# Altium PCB ALCT_MEZ_LX100.PcbDoc (part 3 of 10)
Units mil, origin at the board's own origin, x right, y up, seen from the top; angles counter-clockwise.
Board outline 4100 x 5874.84 mil, 12 copper layers (Top Layer, GND, Mid-Layer 2, +3V3, Mid-Layer 4, +1V2, Mid-Layer 6, +1V8, Mid-Layer 8, +2V5, Mid-Layer 10, Bottom Layer), stack 64.7 mil thick; 544 components, 646 nets, 3089 pads, 1750 vias.
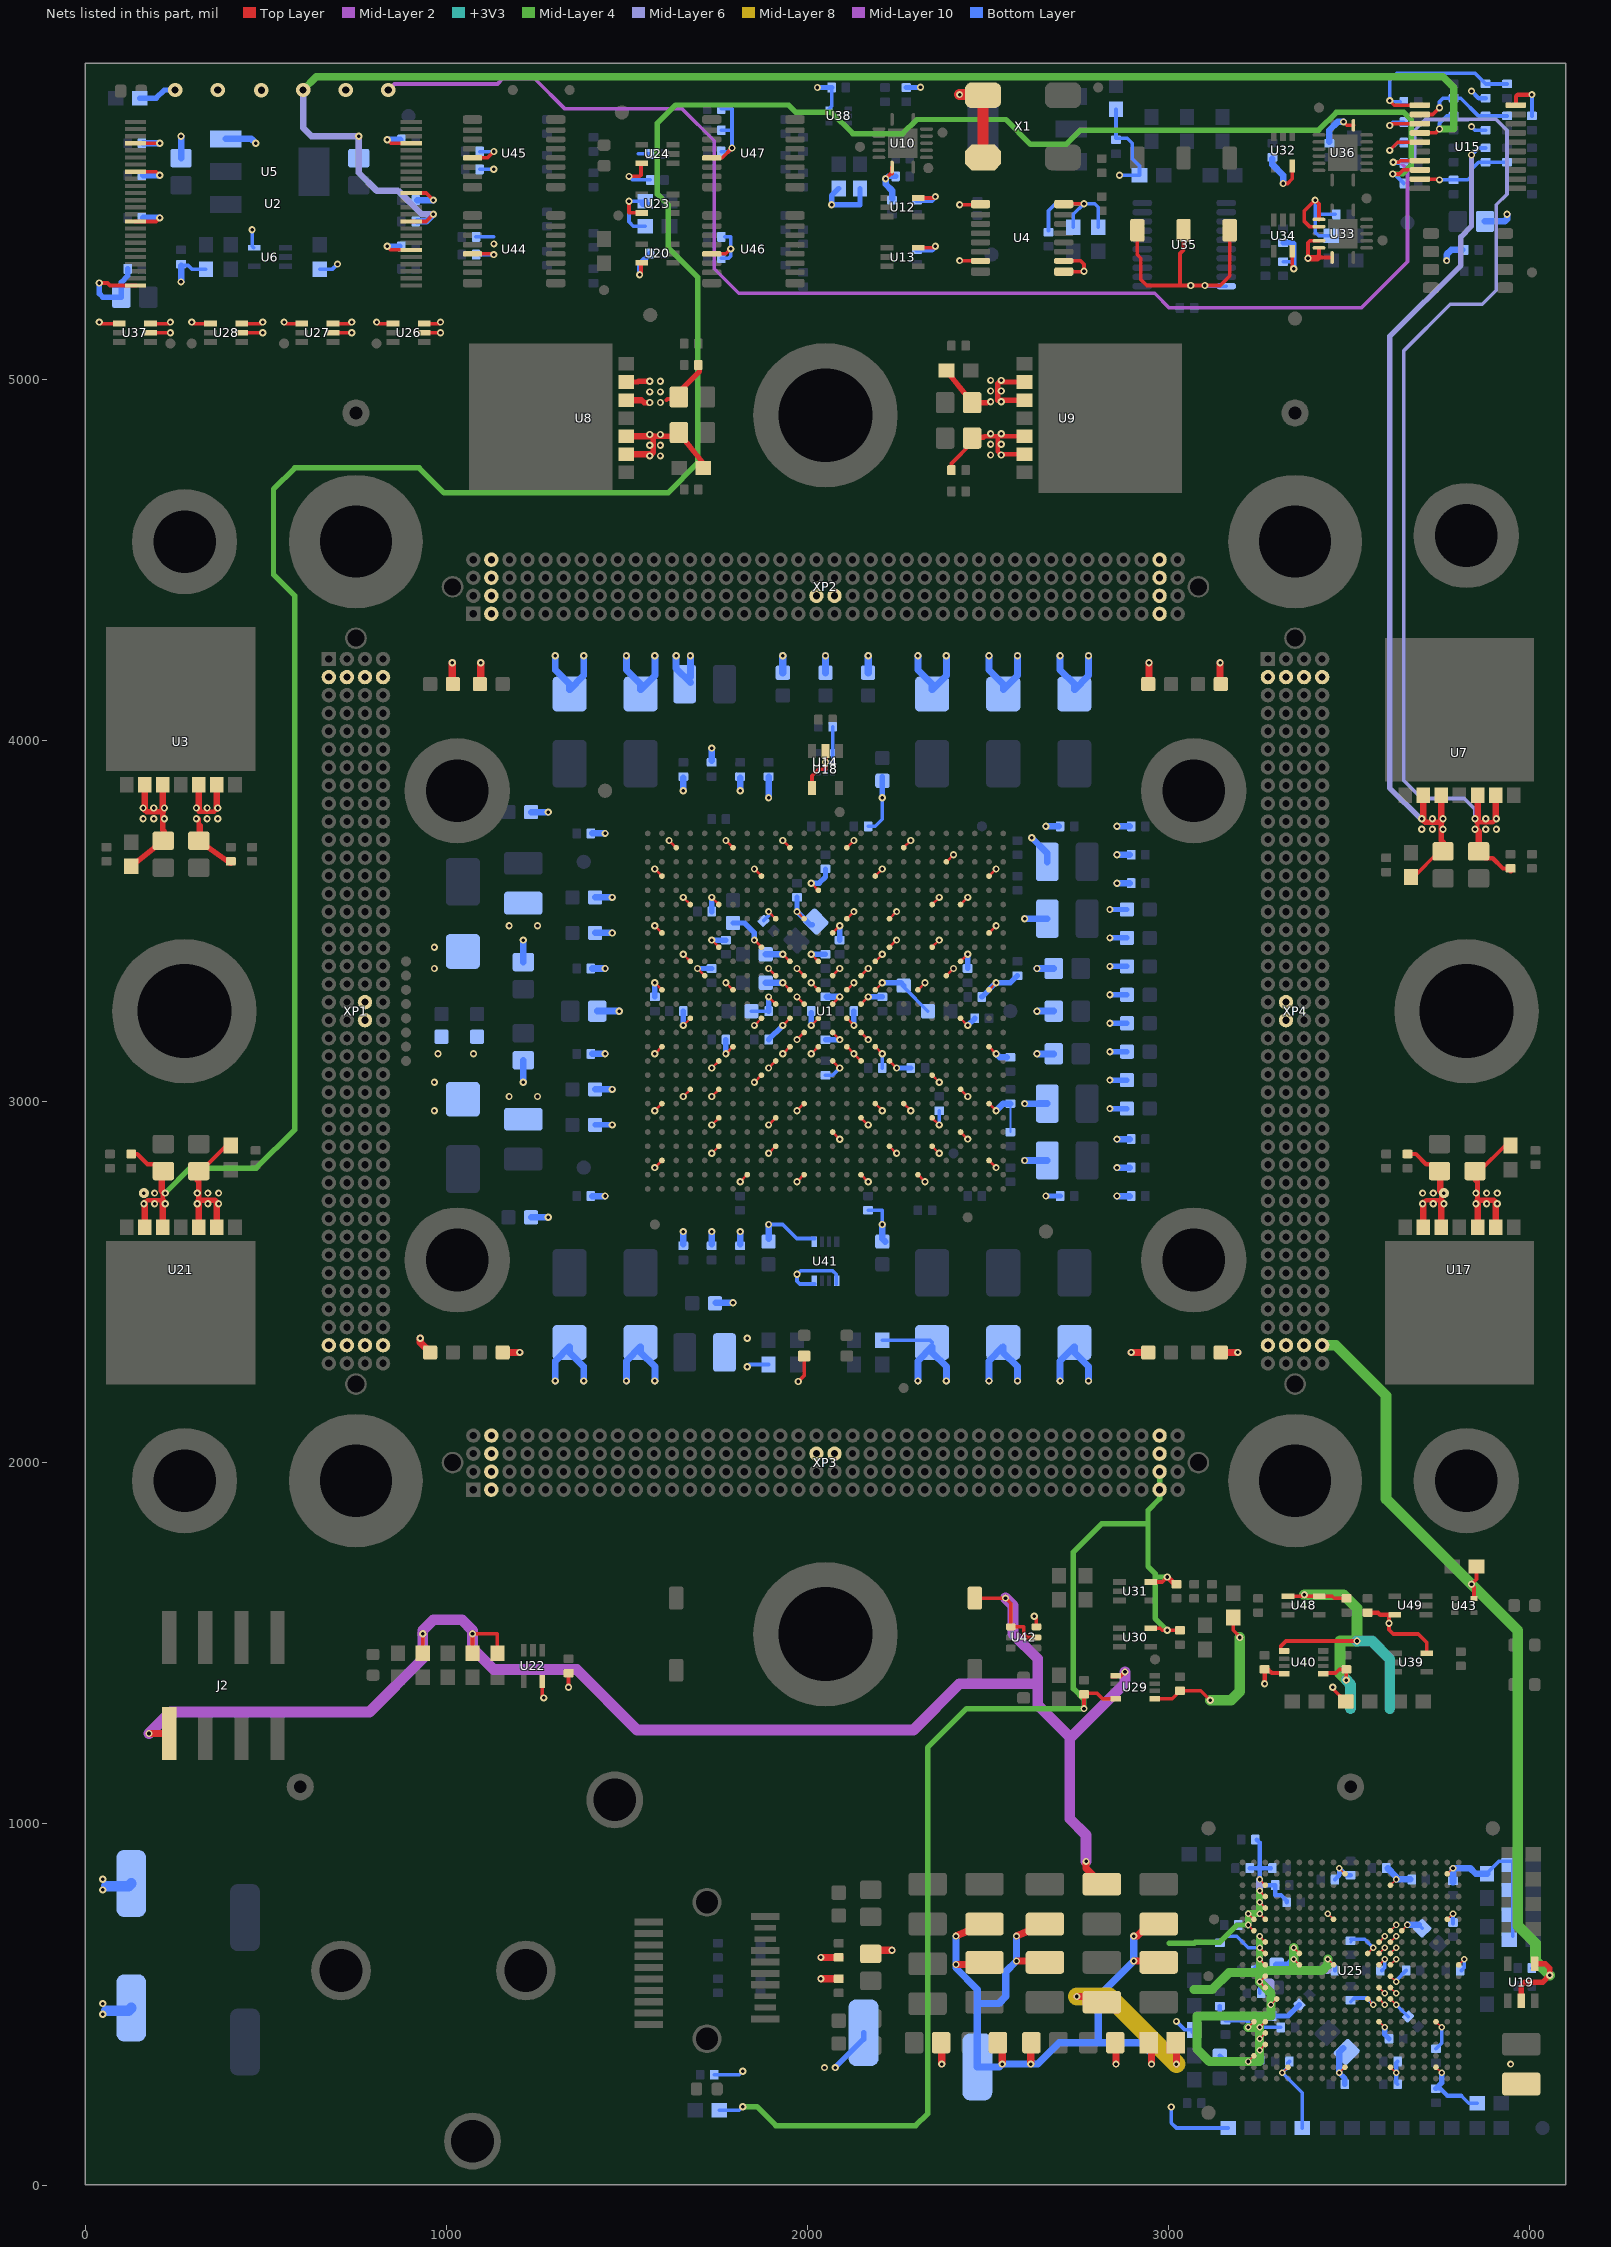
[diagram p13: the nets of this part, all layers, seen from the top]

## Part data (continued)
U16: library part LT1634_2.5V, "IC VREF SHUNT 2.5V 8SOIC", Current - Cathode=8µA, Current - Output=50mA, Current - Supply=-, Manufacturer="Linear Technology", Manufacturer Part Number=LT1634ACS8-2.5#PBF, Operating Temperature="0°C ~ 70°C (TA)", Package / Case="8-SOIC (0.154\", 3.90mm Width)", Supplier Device Package=8-SOIC, Supplier Part Number 1=LT1634ACS8-2.5#PBF-ND, Temperature Coefficient=10ppm/°C, Tolerance=±0.05%, Voltage - Output (Min/Fixed)=2.5V, Category="Integrated Circuits (ICs)", COMPGROUP=0, ComponentLink1Description=http://www.linear.com/docs/3209, ComponentLink1URL=http://www.linear.com/docs/3209, COMPROT=270, COMPSIDE=TOP, mfgr="Linear Tech", mfgr_foot=SOIC8, mfgr_id=LT1634ACS8-2.5, Mounting Type="Surface Mount", Noise - 0.1Hz to 10Hz=15µVp-p, Noise - 10Hz to 10kHz=-, Output Type=Fixed, Packaging=Tube, Part Status=Active, Pricing 1="1=9.42, 25=6.256, 100=4.7109 (USD)", Reference Type=Shunt, RoHS="RoHS Compliant", Stock 1=1010, Supplier 1=Digi-Key, Voltage - Input=-, Voltage - Output (Max)=-
U18 U19: "SENSOR TEMP ANLG VOLT SOT-23-5", Manufacturer="Analog Devices Inc.", Manufacturer Part Number=TMP36FSZ-REEL, Operating Temperature="-40°C ~ 150°C", Package / Case="8-SOIC (0.154\", 3.90mm Width)", Sensing Temperature - Local="-40°C ~ 125°C", Sensing Temperature - Remote=-, Supplier Device Package=8-SOIC, Supplier Part Number 1=TMP36FSZ-REELCT-ND, Voltage - Supply="2.7 V ~ 5.5 V", Accuracy - Highest (Lowest)="±2°C (±3°C)", Category="Sensors, Transducers", ComponentLink1Description=http://www.analog.com/media/en/technical-documentation/data-sheets/TMP35_36_37.pdf, ComponentLink1URL=http://www.analog.com/media/en/technical-documentation/data-sheets/TMP35_36_37.pdf, Features="Shutdown Mode", mfgr="Analog Devices", mfgr_foot=SOT23_RJ5, mfgr_id=TMP36GRTZ, Mounting Type="Surface Mount", Output Type="Analog Voltage", Packaging="Cut Tape (CT)", Part Status=Active, Pricing 1="1=2.09, 10=1.876, 100=1.5077, 500=1.23874, 1000=1.02638 (USD)", Pricing 2="1=2.09, 10=1.876, 100=1.5077, 500=1.23874, 1000=1.02638 (USD)", Resolution=10mV/°C, RoHS="RoHS Compliant", Sensor Type="Analog, Local", Stock 1=63, Stock 2=63, Supplier 1=Digi-Key, Supplier 2=Digi-Key, Supplier Part Number 2=TMP36FSZ-REELDKR-ND, Test Condition="25°C (-40°C ~ 125°C)"
U20 U30 U31 U32 U48: "IC GATE AND 1CH 2-INP 5-TSSOP", Current - Output High, Low="4mA, 4mA", Manufacturer="Texas Instruments", Manufacturer Part Number=SN74AUP1G08DCKT, Operating Temperature="-40°C ~ 85°C", Package / Case="5-TSSOP, SC-70-5, SOT-353", Supplier Device Package=SC-70-5, Supplier Part Number 1=296-32258-1-ND, Voltage - Supply="0.8 V ~ 3.6 V", Category="Integrated Circuits (ICs)", ComponentLink1Description=http://www.ti.com/lit/ds/symlink/sn74aup1g08.pdf, ComponentLink1URL=http://www.ti.com/lit/ds/symlink/sn74aup1g08.pdf, Features=-, Logic Level - High="1.6 V ~ 2 V", Logic Level - Low="0.7 V ~ 0.9 V", Logic Type="AND Gate", Max Propagation Delay @ V, Max CL="6.2ns @ 3.3V, 30pF", Mounting Type="Surface Mount", Number of Inputs=2, Packaging="Cut Tape (CT)", Part Status=Active, Pricing 1="1=0.8, 10=0.707, 100=0.542 (USD)", Pricing 2="1=0.8, 10=0.707, 100=0.542 (USD)", RoHS="RoHS Compliant", Stock 1=7470, Stock 2=7470, Supplier 1=Digi-Key, Supplier 2=Digi-Key, Supplier Part Number 2=296-32258-6-ND
U23: "IC GATE OR 1CH 2-INP 5-TSSOP", Current - Output High, Low="4mA, 4mA", Manufacturer="Texas Instruments", Manufacturer Part Number=SN74AUP1G32DCKT, Operating Temperature="-40°C ~ 85°C", Package / Case="5-TSSOP, SC-70-5, SOT-353", Supplier Device Package=SC-70-5, Supplier Part Number 1=296-32262-1-ND, Voltage - Supply="0.8 V ~ 3.6 V", Category="Integrated Circuits (ICs)", ComponentLink1Description=http://www.ti.com/lit/ds/symlink/sn74aup1g32.pdf, ComponentLink1URL=http://www.ti.com/lit/ds/symlink/sn74aup1g32.pdf, Features=-, Logic Level - High="1.6 V ~ 2 V", Logic Level - Low="0.7 V ~ 0.9 V", Logic Type="OR Gate", Max Propagation Delay @ V, Max CL="6.4ns @ 3.3V, 30pF", Mounting Type="Surface Mount", Number of Inputs=2, Packaging="Cut Tape (CT)", Part Status=Active, Pricing 1="1=0.8, 10=0.707, 100=0.542 (USD)", Pricing 2="1=0.8, 10=0.707, 100=0.542 (USD)", RoHS="RoHS Compliant", Stock 1=96, Stock 2=96, Supplier 1=Digi-Key, Supplier 2=Digi-Key, Supplier Part Number 2=296-32262-6-ND
U26 U27 U28 U37: library part SN74LVC1T45-EP-ALCT_1, "IC BUS TRANSCVR TRI-ST SC70-6", Manufacturer="Texas Instruments", Operating Temperature="-40°C ~ 85°C (TA)", Package / Case="6-TSSOP, SC-88, SOT-363", Supplier Device Package=SC-70-6, Supplier Part Number 1=296-16844-1-ND, Category="Integrated Circuits (ICs)", Channels per Circuit=1, Channel Type=Bidirectional, COMPGROUP=0, ComponentLink1Description=http://www.ti.com/lit/ds/symlink/sn74lvc1t45.pdf, ComponentLink1URL=http://www.ti.com/lit/ds/symlink/sn74lvc1t45.pdf, COMPROT=270, COMPSIDE=TOP, Data Rate=420Mbps, Features=-, Input Signal=-, Manufacturer Part Number=SN74LVC1T45DCKR, mfgr="Texas Inst", mfgr_foot=DCK, mfgr_id=SN74LVC1T45MDCKREP, Mounting Type="Surface Mount", Output Signal=-, Output Type="Tri-State, Non-Inverted", Packaging="Cut Tape (CT)", Part Status=Active, Pricing 1="1=0.58, 10=0.494, 100=0.3692, 500=0.29004, 1000=0.22413 (USD)", Pricing 2="1=0.58, 10=0.494, 100=0.3692, 500=0.29004, 1000=0.22413 (USD)", RoHS="RoHS Compliant", Stock 1=91787, Stock 2=91787, Supplier 1=Digi-Key, Supplier 2=Digi-Key, Supplier Part Number 2=296-16844-6-ND, Translator Type="Voltage Level"
U29 U40 U41: "IC TRNSLTR BIDIRECTIONAL 8VSSOP", Base Part Number=74LVC2T45, Case/Package=VSSOP, High Level Output Current=-32mA, Low Level Output Current=32mA, Manufacturer="Nexperia USA Inc.", Max Operating Temperature=125°C, Max Power Dissipation=250mW, Max Supply Voltage=5.5V, Min Operating Temperature=-40°C, Min Supply Voltage=1.2V, Operating Temperature="-40°C ~ 125°C (TA)", Package / Case="8-VFSOP (0.091\", 2.30mm Width)", Package Quantity=3000, Quiescent Current=8uA, Supplier Device Package=8-VSSOP, Supplier Part Number 1=1727-4578-6-ND, Category="Integrated Circuits (ICs)", Channels per Circuit=2, Channel Type=Bidirectional, ComponentLink1Description=https://assets.nexperia.com/documents/data-sheet/74LVC_LVCH2T45.pdf, ComponentLink1URL=https://assets.nexperia.com/documents/data-sheet/74LVC_LVCH2T45.pdf, ComponentLink2Description=https://datasheet.ciiva.com/1900/74lvc-lvch2t45-1900049.pdf, ComponentLink2URL=https://datasheet.ciiva.com/1900/74lvc-lvch2t45-1900049.pdf, ComponentLink3Description=https://datasheet.ciiva.com/1900/74lvc-lvch2t45-1900050.pdf, ComponentLink3URL=https://datasheet.ciiva.com/1900/74lvc-lvch2t45-1900050.pdf, ComponentLink4Description=https://datasheet.ciiva.com/1900/74lvc-lvch2t45-1900051.pdf, ComponentLink4URL=https://datasheet.ciiva.com/1900/74lvc-lvch2t45-1900051.pdf, ComponentLink5Description=https://datasheet.ciiva.com/16406/74lvc-lvch2t45-16406598.pdf, ComponentLink5URL=https://datasheet.ciiva.com/16406/74lvc-lvch2t45-16406598.pdf, ComponentLink6Description=https://datasheet.ciiva.com/4798/74lvc-lvch2t45-4798887.pdf, ComponentLink6URL=https://datasheet.ciiva.com/4798/74lvc-lvch2t45-4798887.pdf, ComponentLink7Description=https://datasheet.ciiva.com/16591/74lvc-lvch2t45-16591338.pdf, ComponentLink7URL=https://datasheet.ciiva.com/16591/74lvc-lvch2t45-16591338.pdf, ComponentLink8Description=https://datasheet.ciiva.com/15086/getdatasheetpartid-422533-15086781.pdf, ComponentLink8URL=https://datasheet.ciiva.com/15086/getdatasheetpartid-422533-15086781.pdf, Contact Plating=Gold, Data Rate=420Mbps, Direction=Bidirectional, Features=-, Input Signal=-, Lead Free="Lead Free", Logic Function=Transceiver,Translator, Manufacturer Part Number=74LVC2T45DC,125, Mount="Surface Mount", Mounting Type="Surface Mount", Number of Bits=2, Number of Channels=2, Number of Elements=1, Number of Pins=8, Output Signal=-, Output Type="Tri-State, Non-Inverted", Packaging=Digi-Reel®, Part Status=Active, Polarity=Non-Inverting, Pricing 1="1=0.58, 10=0.51, 100=0.3909, 500=0.309, 1000=0.2472 (USD)", Propagation Delay=48.6ns, Radiation Hardening=No, REACH SVHC="No SVHC", RoHS="RoHS Compliant", Stock 1=0, Supplier 1=Digi-Key, Translator Type="Voltage Level", Turn-On Delay Time=15.2ns
U35: "IC I/O EXPANDER I2C 9B 20TSSOP", Case/Package=TSSOP, Frequency=400KHz, Manufacturer=Maxim, Manufacturer Part Number=DS4550E+, Max Operating Temperature=85°C, Max Supply Voltage=5.5V, Min Operating Temperature=-40°C, Min Supply Voltage=2.7V, Operating Supply Current=2uA, Package Quantity=74, Supplier Part Number 1=DS4550E+-ND, ComponentLink1Description=https://datasheet.ciiva.com/1781/ds4550-1781162.pdf, ComponentLink1URL=https://datasheet.ciiva.com/1781/ds4550-1781162.pdf, ComponentLink2Description=https://datasheet.ciiva.com/16618/ds4550-16618826.pdf, ComponentLink2URL=https://datasheet.ciiva.com/16618/ds4550-16618826.pdf, Interface=I2C,Serial, Lead Free="Lead Free", Max Frequency=400KHz, Number of I/Os=9, Number of Pins=20, Packaging=Rail/Tube, Pricing 1="1=3.98, 10=3.781, 25=3.49, 50=3.3154, 100=3, 250=2.85, 1000=2.0808 (USD)", REACH SVHC=Unknown, Stock 1=76, Supplier 1=Digikey, Weight=0.006737oz
U36: "IC 4 BIT FET BUS SWITCH, VQFN-16", Current - Output High, Low=-, Manufacturer="Texas Instruments", Manufacturer Part Number=SN74CBTLV3257RGYR, Operating Temperature="-40°C ~ 85°C", Package / Case="16-VFQFN Exposed Pad", Supplier Device Package="16-VQFN (4x4)", Supplier Part Number 1=296-15107-1-ND, Voltage - Supply="2.3 V ~ 3.6 V", Voltage Supply Source="Single Supply", Category="Integrated Circuits (ICs)", Circuit="4 x 2:1", ComponentLink1Description=http://www.ti.com/lit/ds/symlink/sn74cbtlv3257.pdf, ComponentLink1URL=http://www.ti.com/lit/ds/symlink/sn74cbtlv3257.pdf, Mounting Type="Surface Mount", Packaging="Cut Tape (CT)", Part Status=Active, Pricing 1="1=0.93, 10=0.83, 100=0.6467, 500=0.53426, 1000=0.42179 (USD)", Pricing 2="1=0.93, 10=0.83, 100=0.6467, 500=0.53426, 1000=0.42179 (USD)", RoHS="RoHS Compliant", Stock 1=4734, Stock 2=4734, Supplier 1=Digi-Key, Supplier 2=Digi-Key, Supplier Part Number 2=296-15107-6-ND, Type=Multiplexer/Demultiplexer
U42: library part 74LVC1T45, "IC BUS TRANSCVR TRI-ST SC70-6", Case/Package=TSSOP, High Level Output Current=-32mA, Low Level Output Current=32mA, Manufacturer="NXP Semiconductors", Max Operating Temperature=125°C, Max Power Dissipation=250mW, Max Supply Voltage=5.5V, Min Operating Temperature=-40°C, Min Supply Voltage=1.2V, Package Quantity=3000, Quiescent Current=16uA, Supplier Part Number 1=1727-4560-1-ND, Voltage=5V, ComponentLink1Description=http://www.ti.com/lit/ds/symlink/sn74lvc1t45.pdf, ComponentLink1URL=http://www.ti.com/lit/ds/symlink/sn74lvc1t45.pdf, ComponentLink2Description=https://datasheet.ciiva.com/1898/74lvc-lvch1t45-1898948.pdf, ComponentLink2URL=https://datasheet.ciiva.com/1898/74lvc-lvch1t45-1898948.pdf, ComponentLink3Description=https://datasheet.ciiva.com/1898/74lvc-lvch1t45-1898949.pdf, ComponentLink3URL=https://datasheet.ciiva.com/1898/74lvc-lvch1t45-1898949.pdf, ComponentLink4Description=https://datasheet.ciiva.com/1898/74lvc-lvch1t45-1898950.pdf, ComponentLink4URL=https://datasheet.ciiva.com/1898/74lvc-lvch1t45-1898950.pdf, ComponentLink5Description=https://datasheet.ciiva.com/26940/getdatasheetpartid-436223-26940411.pdf, ComponentLink5URL=https://datasheet.ciiva.com/26940/getdatasheetpartid-436223-26940411.pdf, ComponentLink6Description=https://datasheet.ciiva.com/16222/74lvc-lvch1t45-16222076.pdf, ComponentLink6URL=https://datasheet.ciiva.com/16222/74lvc-lvch1t45-16222076.pdf, Contact Plating=Tin, Data Rate=420Mbps, Direction=Bidirectional, Lead Free="Lead Free", Logic Function=Transceiver,Translator, Manufacturer Part Number=74LVC1T45GW,125, Max Supply Voltage (DC)=5.5V, Max Voltage Rating (DC)=5.5V, Mount="Surface Mount", Number of Bits=1, Number of Channels=1, Number of Elements=1, Number of Pins=6, Packaging="Tape and Reel", Polarity=Non-Inverting, Propagation Delay=48.6ns, Radiation Hardening=No, REACH SVHC="No SVHC", Stock 1=0, Supplier 1=Digi-Key, Turn-On Delay Time=48.6ns
U44 U45 U46 U47: library part DS90LV048ATMCX_LARGE, "IC LINE RECEIVER 3V QUAD DIFF 16TSSOP", Case/Package=TSSOP, Manufacturer="TI National Semiconductor", Max Input Voltage=0uV, Max Operating Temperature=85°C, Max Power Dissipation=866mW, Max Supply Current=9mA, Max Supply Voltage=3.6V, Min Input Voltage=-100mV, Min Operating Temperature=-40°C, Min Supply Voltage=3V, Operating Supply Current=15mA, Operating Supply Voltage=3.3V, Package Quantity=2500, Power Consumption=30W, Supplier Part Number 1=DS90LV048ATMTCX/NOPBDKR-ND, ComponentLink1Description=https://datasheet.ciiva.com/6635/ds90lv048a-6635703.pdf, ComponentLink1URL=https://datasheet.ciiva.com/6635/ds90lv048a-6635703.pdf, ComponentLink2Description=https://datasheet.ciiva.com/26001/ds90lv048a-26001784.pdf, ComponentLink2URL=https://datasheet.ciiva.com/26001/ds90lv048a-26001784.pdf, ComponentLink3Description=https://datasheet.ciiva.com/15133/getdatasheetpartid-647745-15133146.pdf, ComponentLink3URL=https://datasheet.ciiva.com/15133/getdatasheetpartid-647745-15133146.pdf, ComponentLink4Description=https://datasheet.ciiva.com/3151/ds90lv048a-3151499.pdf, ComponentLink4URL=https://datasheet.ciiva.com/3151/ds90lv048a-3151499.pdf, Data Rate=400Mbps, Height=0.9mm, Lead Free="Lead Free", Length=5mm, Logic Function=Receiver, Manufacturer Part Number=DS90LV048ATMTCX/NOPB, Mount="Surface Mount", Number of Channels=4, Number of Drivers=4, Number of Elements=4, Number of Pins=16, Number of Receivers=4, Packaging="Tape and Reel", Power Dissipation=866mW, Pricing 1="1=2.91, 10=2.618, 100=2.104, 500=1.7286, 1000=1.43227 (USD)", Propagation Delay=2.7ns, Radiation Hardening=No, REACH SVHC="No SVHC", Stock 1=55591, Supplier 1=Digi-Key, Turn-On Delay Time=2.7ns, Weight=0.002222oz, Width=4.4mm
X1: "XTAL, 33MHz, CMOS", Current - Supply (Disable) (Max)=10µA, Current - Supply (Max)=20mA, Frequency=33MHz, Frequency Stability=±20ppm, Manufacturer="Abracon LLC", Operating Temperature="-20°C ~ 70°C", Package / Case="4-SMD, No Lead", Ratings=-, Supplier Part Number 1=535-9324-6-ND, Voltage - Supply=3.3V, Category="Crystals, Oscillators, Resonators", ComponentLink1Description=http://www.abracon.com/Oscillators/ASV.pdf, ComponentLink1URL=http://www.abracon.com/Oscillators/ASV.pdf, Function=Enable/Disable, Height - Seated (Max)="0.071\" (1.80mm)", Manufacturer Part Number=ASV-33.000MHZ-EJ-T, Mounting Type="Surface Mount", Output=HCMOS, Packaging=Digi-Reel®, Part Status=Active, Pricing 1="1=1.73, 10=1.656, 50=1.617, 100=1.386, 500=1.3475 (USD)", RoHS="RoHS Compliant", Size / Dimension="0.276\" L x 0.200\" W (7.00mm x 5.08mm)", Stock 1=9939, Supplier 1=Digi-Key, Type="XO (Standard)"
XP1: Manufacturer=SAMTEC, Manufacturer Part Number=MOLC-140-01-L-Q-LC, Package=XP1, Supplier Part Number 1=2732055, COMPGROUP=0, ComponentLink1Description=http://www.farnell.com/cad/2261282.pdf, ComponentLink1URL=http://www.farnell.com/cad/2261282.pdf, ComponentLink2Description=http://www.farnell.com/datasheets/2261038.pdf, ComponentLink2URL=http://www.farnell.com/datasheets/2261038.pdf, COMPROT=180, COMPSIDE=TOP, Contact Material="Phosphor Bronze", Contact Plating="Gold Plated Contacts", Contact Termination Type="Through Hole", Gender=Header, mfgr=Samtec, mfgr_foot=40x4, mfgr_id=MOLC-140-01-S-Q-LC, No. of Contacts=160, No. of Rows=4, Pitch Spacing=1.27, Pricing 1="1=18.16, 3=17.11, 5=16.18, 10=15.35, 15=14.96, 25=14.34 (GBP)", Product Range="MOLC Series", RoHS=YES, Stock 1=0, Supplier 1=Farnell, SVHC="No SVHC (12-Jan-2017"
XP2: Manufacturer=SAMTEC, Manufacturer Part Number=MOLC-140-01-L-Q-LC, Package=XP2, Supplier Part Number 1=2732055, COMPGROUP=0, ComponentLink1Description=http://www.farnell.com/cad/2261282.pdf, ComponentLink1URL=http://www.farnell.com/cad/2261282.pdf, ComponentLink2Description=http://www.farnell.com/datasheets/2261038.pdf, ComponentLink2URL=http://www.farnell.com/datasheets/2261038.pdf, COMPROT=270, COMPSIDE=TOP, Contact Material="Phosphor Bronze", Contact Plating="Gold Plated Contacts", Contact Termination Type="Through Hole", Gender=Header, mfgr=Samtec, mfgr_foot=40x4, mfgr_id=MOLC-140-01-S-Q-LC, No. of Contacts=160, No. of Rows=4, Pitch Spacing=1.27, Pricing 1="1=18.16, 3=17.11, 5=16.18, 10=15.35, 15=14.96, 25=14.34 (GBP)", Product Range="MOLC Series", RoHS=YES, Stock 1=0, Supplier 1=Farnell, SVHC="No SVHC (12-Jan-2017"
XP3: Manufacturer=SAMTEC, Manufacturer Part Number=MOLC-140-01-L-Q-LC, Package=XP3, Supplier Part Number 1=2732055, COMPGROUP=0, ComponentLink1Description=http://www.farnell.com/cad/2261282.pdf, ComponentLink1URL=http://www.farnell.com/cad/2261282.pdf, ComponentLink2Description=http://www.farnell.com/datasheets/2261038.pdf, ComponentLink2URL=http://www.farnell.com/datasheets/2261038.pdf, COMPROT=270, COMPSIDE=TOP, Contact Material="Phosphor Bronze", Contact Plating="Gold Plated Contacts", Contact Termination Type="Through Hole", Gender=Header, mfgr=Samtec, mfgr_foot=40x4, mfgr_id=MOLC-140-01-S-Q-LC, No. of Contacts=160, No. of Rows=4, Pitch Spacing=1.27, Pricing 1="1=18.16, 3=17.11, 5=16.18, 10=15.35, 15=14.96, 25=14.34 (GBP)", Product Range="MOLC Series", RoHS=YES, Stock 1=0, Supplier 1=Farnell, SVHC="No SVHC (12-Jan-2017"
XP4: Manufacturer=SAMTEC, Manufacturer Part Number=MOLC-140-01-L-Q-LC, Package=XP4, Supplier Part Number 1=2732055, COMPGROUP=0, ComponentLink1Description=http://www.farnell.com/cad/2261282.pdf, ComponentLink1URL=http://www.farnell.com/cad/2261282.pdf, ComponentLink2Description=http://www.farnell.com/datasheets/2261038.pdf, ComponentLink2URL=http://www.farnell.com/datasheets/2261038.pdf, COMPROT=180, COMPSIDE=TOP, Contact Material="Phosphor Bronze", Contact Plating="Gold Plated Contacts", Contact Termination Type="Through Hole", Gender=Header, mfgr=Samtec, mfgr_foot=40x4, mfgr_id=MOLC-140-01-S-Q-LC, No. of Contacts=160, No. of Rows=4, Pitch Spacing=1.27, Pricing 1="1=18.16, 3=17.11, 5=16.18, 10=15.35, 15=14.96, 25=14.34 (GBP)", Product Range="MOLC Series", RoHS=YES, Stock 1=0, Supplier 1=Farnell, SVHC="No SVHC (12-Jan-2017"
ZI1 ZI2 ZI3 ZI4 ZI5 ZI6 ZI7 ZI8 ZI9 ZI10 ZI11 ZI12 ZI13 ZI14 ZI15 ZI16 ZI17: library part Fiducial_dot, Package=90, COMPGROUP=0, COMPROT=0, COMPSIDE=TOP, mfgr=Layout, mfgr_foot=FID, mfgr_id=FID
H12 H31 H34 H42: COMPGROUP=0, COMPROT=0, COMPSIDE=TOP, mfgr=McMaster, mfgr_foot="6-32 ButtonSkt", mfgr_id=92949A146

## Free pads (board coordinates)
  round 0 on Mech16 paste+0 mask+0: 1(1053.15,5738.39)

## Via types
v1: diameter 20, hole 10, Top Layer to Bottom Layer, tented both sides, 1478 vias
v2: diameter 18, hole 10, Top Layer to Bottom Layer, tented both sides, 219 vias
v3: diameter 20, hole 10, Top Layer to Bottom Layer, 38 vias
v4: diameter 40, hole 20, Top Layer to Bottom Layer, 8 vias
v5: diameter 19, hole 10, Top Layer to Bottom Layer, tented both sides, 5 vias
v6: diameter 19, hole 10, Top Layer to Bottom Layer, 1 vias
v7: diameter 18, hole 10, Top Layer to Bottom Layer, 1 vias

## Nets (pads, with @x,y where several pads share a name; then routed paths per layer and width w, separated by ;. In a path a pad name is that pad's centre, name@x,y a point inside that pad or via, vN(x,y) a via of type N, cw(c..) or ccw(c..) an arc to the next point about the centre after c; other vN are vias at no path point)
+1V2: 1V2_INT.1 C10.1 C17.1 C271.1 C272.1 C273.1 C274.1 C275.1 C276.1 C277.1 C371.1 C372.1 C375.1 C471.1 R10.1 U1.K11 U1.K17 U1.L10 U1.L12 U1.L14 U1.L16 U1.M11 U1.M13 U1.M15 U1.N12 U1.N14 U1.N16 U1.P11 U1.P13 U1.P15 U1.R12 U1.R14 U1.R16 U1.T11 U1.T13 U1.T15 U1.T17 U1.U10 U1.U16 U9.5 U9.6 U15.5 | length 1726.7
  Top Layer w7: v1(1892.52,3092.52) U1.U10@1912.2,3112.2 ; v1(1892.52,3368.11) U1.L10@1912.2,3348.42 ; v1(1931.89,3131.89) U1.T11@1951.57,3151.57 ; v1(1931.89,3210.63) U1.P11@1951.57,3230.31 ; v1(1931.89,3328.74) U1.M11@1951.57,3309.05 ; v1(1931.89,3407.48) U1.K11@1951.57,3387.79 ; v1(1971.26,3171.26) U1.R12@1990.94,3190.94 ; v1(1971.26,3289.37) U1.N12@1990.94,3269.68 ; v1(1971.26,3368.11) U1.L12@1990.94,3348.42 ; v1(2010.63,3131.89) U1.T13@2030.31,3151.57 ; v1(2010.63,3210.63) U1.P13@2030.31,3230.31 ; v1(2010.63,3328.74) U1.M13@2030.31,3309.05 ; U1.R14@2069.68,3190.94 v1(2089.37,3171.26) ; U1.N14@2069.68,3269.68 v1(2089.37,3289.37) ; U1.L14@2069.68,3348.42 v1(2089.37,3368.11) ; U1.T15@2109.05,3151.57 v1(2128.74,3131.89) U1.U16@2148.43,3112.2 ; U1.P15@2109.05,3230.31 v1(2128.74,3210.63) ; U1.M15@2109.05,3309.05 v1(2128.74,3328.74) ; U1.R16@2148.43,3190.94 v1(2168.11,3171.26) ; U1.N16@2148.43,3269.68 v1(2168.11,3289.37) ; U1.L16@2148.43,3348.42 v1(2168.11,3368.11) ; U1.T17@2187.8,3151.57 v1(2207.48,3131.89) ; U1.K17@2187.8,3387.79 v1(2207.48,3407.48)
  Top Layer w10: R10.1@2398.82,4758.48 2398.82,4766.27 2455.91,4823.36 C10.1@2455.91,4836.61 ; v1(3612.2,5633.27) 3634.84,5655.91 U15.5@3695.87,5655.91
  Top Layer w12: C10.1@2446.06,4836.61 C10.1@2446.06,4838.98 ; 2487.4,4838.98 2490.35,4841.93 2526.77,4841.93 ; U9.6@2601.18,4791.93 2534.45,4791.93 2526.77,4799.61 2526.77,4841.93 ; U9.5@2601.18,4841.93 2526.77,4841.93
  Top Layer w15: C10.1@2455.91,4838.98 2487.4,4838.98
  Bottom Layer w10: C277.1@2207.48,3092.52 v1(2207.48,3131.89) ; v1(3612.2,5633.27) 3633.66,5654.72 C17.1@3651.58,5654.72
  Bottom Layer w12: v1@2085.44,3167.32 v1(2089.37,3171.26)
  Bottom Layer w15: C275.1@1892.52,3171.26 v1(1931.89,3210.63) ; v1(2010.63,3210.63) C272.1@2010.63,3246.06 ; v1@2081.5,3171.26 C273.1@2050,3171.26 v1(2089.37,3171.26) ; v1(2128.74,3210.63) C274.1@2128.74,3250 ; v1(2168.11,3289.37) C276.1@2207.48,3289.37
  Bottom Layer w18: C372.1@1884.65,3328.74 v1(1931.89,3328.74) ; C371.1@1884.65,3407.48 v1(1931.89,3407.48) ; C271.1@2053.94,3289.37 v1(2089.37,3289.37) ; v1(2620.87,3730.32) C471.1@2640.55,3710.63 ; v1(2635.63,3368.11) v1@2640.55,3368.11
  Bottom Layer w19: v1@2640.55,3368.11 C375.1@2681.89,3368.11 ; C471.1@2640.55,3710.63 2664.17,3687.01 C471.1@2664.17,3663.39
  other v1: 2507.09,4789.76 2536.61,4789.76 2507.09,4819.29 2536.61,4819.29 2507.09,4848.82 2536.61,4848.82
  other v4: 721.65,5800.39
+1V5: 1V5D.1 C1.1 C19.1 C27.1 C87.1 C88.1 C89.1 C90.1 C91.1 C92.1 C93.1 C94.1 C95.1 C96.1 C97.1 C98.1 C99.1 C100.1 C101.1 C102.1 C103.1 C104.1 C105.1 C106.1 C107.1 C108.1 C165.1 C168.1 C172.1 C175.1 J2.1 J6.1 R2.1 R20.1 R52.1 R61.1 R67.1 R68.1 R69.1 R70.1 R71.1 R80.2 R81.1 R82.1 R83.2 R84.1 U7.5 U7.6 U15.7 U25.B10 U25.B19 U25.C14 U25.F9 U25.F19 U25.G14 U25.G15 U25.H13 U25.H14 U25.J12 U25.J13 U25.J14 U25.K13 U25.K14 U25.K20 U25.L14 U25.M13 U25.M14 U25.N12 U25.N13 U25.N14 U25.R13 U25.R18 U25.W5 U25.W10 U25.W14 U25.W18 U29.1 U29.5 U40.1 U40.5 U42.1 U42.5 U48.1 U48.5 | length 15754.6
  Top Layer w5: v2(3314.96,310.43) U25.W5@3330.71,326.18 ; v2(3440.95,751.38) U25.F9@3456.69,735.63 ; v2(3472.44,310.43) U25.W10@3488.19,326.18 ; v2(3472.44,877.36) U25.B10@3488.19,861.61 ; U25.N12@3551.18,515.16 v2(3566.93,499.41) ; U25.J12@3551.18,641.14 v2(3566.93,656.89) ; U25.R13@3582.68,452.17 v2(3598.43,436.42) ; U25.N13@3582.68,515.16 v2(3598.43,499.41) ; U25.M13@3582.68,546.65 v2(3598.43,530.91) ; U25.K13@3582.68,609.65 v2(3598.43,625.39) ; U25.J13@3582.68,641.14 v2(3598.43,656.89) ; U25.H13@3582.68,672.64 v2(3598.43,688.39) ; U25.W14@3614.17,326.18 v2(3629.92,310.43) ; U25.N14@3614.17,515.16 v2(3629.92,499.41) ; U25.M14@3614.17,546.65 v2(3629.92,530.91) ; U25.L14@3614.17,578.15 v2(3629.92,562.4) ; U25.K14@3614.17,609.65 v2(3629.92,625.39) ; U25.J14@3614.17,641.14 v2(3629.92,656.89) ; U25.H14@3614.17,672.64 v2(3629.92,688.39) ; U25.G14@3614.17,704.13 v2(3629.92,719.88) ; U25.C14@3614.17,830.12 v2(3629.92,845.87) ; U25.G15@3645.67,704.13 v2(3661.42,719.88) ; U25.W18@3740.16,326.18 v2(3755.91,310.43) ; U25.R18@3740.16,452.17 v2(3755.91,436.42) ; U25.F19@3771.65,735.63 v2(3787.4,751.38) ; U25.B19@3771.65,861.61 v2(3787.4,877.36) ; U25.K20@3803.15,609.65 v2(3818.9,625.39)
  Top Layer w10: R84.1@935.04,1472.64 v1(935.04,1526.38) ; R82.1@1072.84,1472.64 v1(1072.83,1526.08) 1073.13,1526.38 1141.73,1526.38 R81.1@1141.73,1472.64 ; J6.1@2463.39,1625 v3(2548.43,1625) 2562.99,1610.43 U42.1@2562.99,1545.47 2598.43,1545.47 2598.43,1525.79 2608.27,1515.95 U42.5@2633.86,1515.95 ; U29.5@2844.49,1407.68 U29.5@2853.35,1407.68 ; U29.5@2853.35,1409.65 2868.19,1409.65 v1@2878.23,1419.69 ; U29.1@2961.61,1346.65 3009.84,1346.65 C27.1@3031.5,1368.31 3089.06,1368.31 v1(3115.43,1341.93) ; R80.2@3179.13,1571.06 3179.13,1535.63 v1@3198.82,1515.95 ; U40.5@3311.02,1476.57 3311.02,1492.32 3324.8,1506.1 v1(3521.65,1506.1) ; U48.1@3330.71,1630.12 3372.05,1630.12 v1(3375.98,1634.06) 3379.92,1630.12 U48.5@3417.32,1630.12 3452.76,1630.12 3458.66,1624.21 C168.1@3492.13,1624.21 ; U40.1@3437.01,1417.52 3462.6,1417.52 3472.44,1427.36 C165.1@3492.13,1427.36 v1(3492.13,1397.83) ; v1(3622.05,5600.59) 3637.6,5600.59 3641.73,5604.72 U15.7@3695.87,5604.72
  Top Layer w12: v1@2878.23,1419.69 v1(2879.21,1420.67) ; v1@3855.32,3750.2 3855.32,3773.03 3897.64,3773.03 v1@3905.32,3780.71 ; C1.1@3858.27,3692.32 3877.17,3673.43 3897.64,3673.43 3925.98,3645.08 3937.01,3645.08 R2.1@3946.85,3645.08
  Top Layer w15: R2.1@3937.01,3645.08 3944.25,3640.74 R2.1@3946.85,3639.17
  Top Layer w18: v1@3855.32,3750.2 3858.27,3747.24 C1.1@3858.27,3692.32 ; 3855.32,3773.03 U7.5@3855.32,3847.44 ; v1@3905.32,3780.71 U7.6@3905.32,3847.44
  Top Layer w20: v3(177.17,1250.2) J2.1@233.07,1250.2 ; v1(2771.65,895.87) 2771.65,876.18 C102.1@2814.96,832.87 ; v1(2854.33,334.84) C172.1@2854.33,409.65
  Mid-Layer 2 w30: v3(177.17,1250.2) 236.22,1309.25 787.4,1309.25 935.04,1456.89 v1(935.04,1526.38)
  Mid-Layer 4 w30: v1(3115.43,1341.93) 3172.44,1341.93 3196.85,1366.34 v1(3196.85,1515.94) ; v1(3375.98,1634.06) 3484.25,1634.06 3521.65,1596.65 v1(3521.65,1506.1) 3474.41,1506.1 3474.41,1415.55 v1(3492.13,1397.83)
  Mid-Layer 6 w10: v1(3622.05,5600.59) 3671.26,5600.59 3681.1,5610.43 3681.1,5689.17 3710.63,5718.7 3829.28,5718.7 3830.09,5719.52 3906.67,5719.52 3937.01,5689.17 3937.01,5512.01 3907.48,5482.48 3907.48,5246.26 3868.11,5206.89 3779.53,5206.89 3651.58,5078.94 3651.58,3887.99 3700.79,3838.78 3818.9,3838.78 3848.43,3809.25 v1(3848.43,3782.87)
  +3V3 w30: v1(3492.13,1397.83) 3503.88,1386.08 3503.88,1318.9 ; v1(3521.65,1506.1) 3562.74,1506.1 3612.14,1456.69 3612.14,1318.9
  Mid-Layer 10 w10: v4(839.76,5800.39) 856.5,5817.13 1141.93,5817.13 1156.2,5831.39 1245.38,5831.39 1328.74,5748.03 1653.74,5748.03 1742.13,5659.65 1742.13,5305.32 1810.18,5237.26 2961.76,5237.26 3001.97,5197.05 3533.46,5197.05 3661.42,5325 3661.42,5580.91 3641.73,5600.59 v1(3622.05,5600.59)
  Mid-Layer 10 w30: v1(935.04,1526.38) 935.04,1535.63 964.57,1565.16 1043.31,1565.16 1072.83,1535.63 v1(1072.83,1526.08) 1072.83,1486.22 1131.69,1427.36 1361.22,1427.36 1528.54,1260.04 2293.31,1260.04 2421.26,1387.99 2637.8,1387.99 ; v3(2548.43,1625) 2568.9,1604.53 2568.9,1525.79 2637.8,1456.89 2637.8,1387.99 ; 2726.38,1240.35 2637.8,1328.94 2637.8,1387.99 ; v1(2771.65,895.87) 2771.65,968.7 2726.38,1013.98 2726.38,1236.59 2879.21,1389.43 v1(2879.21,1420.67)
  Bottom Layer w7: C96.1@3503.94,672.64 C96.1@3511.81,680.51 ; v2(3629.92,845.87) C92.1@3669.29,845.87
  Bottom Layer w10: v1(3007.42,215.95) 3007.42,171.91 3021.65,157.68 R71.1@3165.35,157.68 ; v1(3021.65,452.95) 3045.28,429.33 R83.2@3070.87,429.33 R83.2@3064.96,423.43 ; C99.1@3334.65,341.93 3330.71,337.99 3330.71,326.18 v2(3314.96,310.43) 3370.08,255.31 R20.1@3370.08,157.68 ; C90.1@3503.94,507.28 3514.56,517.91 3548.43,517.91 v2(3566.93,499.41) ; C96.1@3503.94,680.51 3511.81,680.51 3543.31,680.51 v2(3566.93,656.89) ; C91.1@3590.55,593.9 3598.43,601.77 v2(3598.43,625.39) ; v1(3622.05,5600.59) 3624.51,5598.13 C19.1@3651.58,5598.13 ; C101.1@3629.92,282.87 C101.1@3633.86,278.94 ; v2(3629.92,499.41) C97.1@3663.25,466.08 ; v2(3629.92,562.4) 3629.92,566.34 C107.1@3657.48,593.9 ; C104.1@3692.91,719.88 C104.1@3702.14,710.66 ; C100.1@3740.16,377.36 3755.91,393.11 v2(3755.91,436.42) ; C87.1@3787.4,723.82 v2(3787.4,751.38) ; 3810.04,247.44 3830.91,226.57 R70.1@3854.33,226.57 ; C89.1@3811.02,593.9 3818.9,601.77 v2(3818.9,625.39) ; R52.1@3881.89,861.61 3881.89,863.58 3901.58,883.27 3914.17,895.87 3952.76,895.87 3952.76,826.97 3952.76,758.07 R61.1@3952.76,689.17
  Bottom Layer w12: C106.1@3460.63,845.87 3472.44,857.68 v2(3472.44,877.36) 3492.13,857.68 C95.1@3503.94,857.68 ; C101.1@3629.92,282.87 v2(3629.92,310.43) 3629.92,337.99 C93.1@3633.86,341.93 ; C98.1@3740.16,267.13 3751.97,267.13 3771.65,247.44 3810.04,247.44
  Bottom Layer w15: v2(3472.44,310.43) 3488.19,294.69 C108.1@3488.19,278.94 ; v2(3598.43,436.42) 3598.43,416.73 C88.1@3610.24,404.92 ; C98.1@3740.16,267.13 3755.91,282.87 v2(3755.91,310.43)
  Bottom Layer w18: v2(3472.44,310.43) 3472.44,367.78 C103.1@3483.14,378.47 ; C105.1@3606.3,877.36 3629.92,853.74 v2(3629.92,845.87) C92.1@3669.29,845.87 ; v2(3661.42,719.88) C104.1@3692.91,719.88 ; C94.1@3787.4,837.99 C94.1@3787.4,841.93 v2(3787.4,877.36) 3834.65,877.36 3850.39,861.61 R52.1@3881.89,861.61
  other v1: 3946.85,334.84 3848.43,3753.35 3877.95,3753.35 3907.48,3753.35 3877.95,3782.87 3907.48,3782.87
+1V5_RXTXCMPS: C109.1 C110.1 C111.1 C112.1 C113.1 C114.1 C115.1 C116.1 C117.1 C118.1 C119.1 C133.1 C145.1 C146.1 C147.1 C148.1 C149.1 C150.1 C151.1 C152.1 C153.1 C154.1 C155.1 C169.1 C171.1 C176.1 L4.1 R129.2 U25.C3 U25.D3 U25.E3 U25.F2 U25.F3 U25.G2 U25.H3 U25.J3 U25.J6 U25.K3 U25.K6 U25.K9 U25.L3 U25.M3 U25.N4 U25.R2 U25.R3 U25.T3 U25.U3 U25.V2 | length 6186.9
  Top Layer w5: v2(3220.47,341.93) U25.V2@3236.22,357.68 ; v2(3220.47,436.42) U25.R2@3236.22,452.17 ; v2(3220.47,719.88) U25.G2@3236.22,704.13 ; v2(3220.47,751.38) U25.F2@3236.22,735.63 ; v2(3251.97,373.43) U25.U3@3267.72,389.17 ; v2(3251.97,404.92) U25.T3@3267.72,420.67 ; v2(3251.97,436.42) U25.R3@3267.72,452.17 ; v2(3251.97,625.39) U25.K3@3267.72,609.65 ; v2(3251.97,656.89) U25.J3@3267.72,641.14 ; v2(3251.97,688.39) U25.H3@3267.72,672.64 ; v2(3251.97,751.38) U25.F3@3267.72,735.63 ; v2(3251.97,782.87) U25.E3@3267.72,767.13 ; v2(3251.97,814.37) U25.D3@3267.72,798.62 ; v2(3251.97,845.87) U25.C3@3267.72,830.12 ; U25.M3@3267.72,546.65 v2(3251.97,562.4) U25.L3@3267.72,578.15 ; v2(3283.46,499.41) U25.N4@3299.21,515.16 ; v2(3346.46,625.39) U25.K6@3362.2,609.65 ; v2(3346.46,656.89) U25.J6@3362.2,641.14 ; v2(3440.95,625.39) U25.K9@3456.69,609.65
  Top Layer w20: v1(2411.42,610.43) C109.1@2486.22,610.43 ; v1(2411.42,689.17) C171.1@2490.16,722.64 ; C110.1@2529.53,409.65 2539.37,399.8 v1(2539.37,334.84) ; v1(2578.74,620.28) C116.1@2653.54,620.28 ; v1(2578.74,689.17) C115.1@2657.48,722.64 ; v1(2618.11,334.84) C117.1@2618.11,409.65 ; v1(2903.54,620.28) C176.1@2978.35,620.28 ; v1(2903.54,689.17) 2913.39,689.17 C169.1@2942.91,718.7 ; v1(2952.76,334.84) R129.2@2952.76,409.65
  Mid-Layer 4 w15: 3001.97,669.49 3070.9,669.49 3074.05,672.64 3141.73,672.64 3188.98,719.88 v2(3220.47,719.88)
  Mid-Layer 4 w19: v2(3220.47,719.88) v2(3220.47,751.38) v2(3251.97,751.38) v2(3251.97,782.87) v2(3251.97,814.37) ; 3251.97,593.9 v2(3251.97,688.39)
  Mid-Layer 4 w25: 3070.87,541.54 3120.87,541.54 3167.73,588.4 3251.97,588.4 v2(3251.97,562.4) 3283.46,530.91 v2(3283.46,499.41) 3283.46,467.91 3251.97,467.91 ; v2(3220.47,436.42) v2(3251.97,436.42) ; 3251.97,593.9 3346.46,593.9 ; v2(3346.46,656.89) v2(3346.46,625.39) 3346.46,593.9 ; v2(3440.95,625.39) 3440.95,609.65 3425.2,593.9 3346.46,593.9 ; v2(3251.97,436.42) v2(3251.97,404.92) v2(3251.97,373.43) 3251.97,341.93 v2(3220.47,341.93) 3112.99,341.93 3078.74,376.18 3078.74,467.91 3251.97,467.91 ; v2(3251.97,436.42) 3251.97,467.91
  Mid-Layer 6 w19: v2(3220.47,719.88) v2(3220.47,751.38) v2(3251.97,751.38) v2(3251.97,782.87) v2(3251.97,814.37) v2(3251.97,845.87) ; v2(3251.97,688.39) v2(3251.97,562.4) 3283.46,562.4 v2(3283.46,499.41) ; v2(3346.46,656.89) v2(3346.46,625.39) 3346.46,593.9 3440.95,593.9 v2(3440.95,625.39)
  Bottom Layer w10: C152.1@3141.73,674.21 3155.91,688.39 3188.98,688.39 3220.47,656.89 v2(3251.97,656.89) v2(3251.97,625.39) ; v2(3251.97,436.42) C153.1@3311.02,436.42 ; C151.1@3251.97,530.91 v2(3251.97,562.4) ; v2(3440.95,625.39) 3460.63,605.71 C113.1@3460.63,593.9
  Bottom Layer w12: C118.1@3141.73,357.68 3157.48,341.93 v2(3220.47,341.93) ; C145.1@3141.73,495.47 3141.73,471.85 C149.1@3157.48,456.1 3216.54,456.1 3220.47,452.17 v2(3220.47,436.42) ; C112.1@3192.91,719.88 v2(3220.47,719.88) v2(3220.47,751.38) v2(3251.97,751.38) v2(3251.97,782.87) v2(3251.97,814.37) 3251.97,830.12 ; C148.1@3224.41,877.36 3251.97,877.36 ; C150.1@3240.16,593.9 3236.22,597.83 3251.97,613.58 v2(3251.97,625.39) ; C133.1@3244.09,956.1 3251.97,948.23 3251.97,877.36 ; C119.1@3283.46,877.36 3251.97,877.36 ; C155.1@3326.77,782.87 3326.77,786.81 3311.02,802.56 3295.28,802.56 C154.1@3295.28,830.12 3251.97,830.12 ; 3251.97,830.12 v2(3251.97,845.87) 3251.97,877.36
  Bottom Layer w15: v2(3283.46,499.41) 3283.46,467.91 C114.1@3287.4,467.91 3330.71,467.91 C146.1@3362.2,499.41
  Bottom Layer w18: C147.1@3251.97,345.87 v2(3251.97,373.43)
  Bottom Layer w19: C111.1@3299.21,609.65 3330.71,609.65 v2(3346.46,625.39) v2(3346.46,656.89)
  Bottom Layer w20: v1(2411.42,689.17) v1(2411.42,610.43) 2411.42,600.59 2470.47,541.54 2470.47,502.17 ; v1(2578.74,689.17) v1(2578.74,620.28) 2549.21,590.75 2549.21,521.85 2529.53,502.17 2470.47,502.17 ; v1(2903.54,689.17) v1(2903.54,620.28) 2805.12,521.85 2805.12,393.9 ; v1(2952.76,334.84) 2952.76,364.37 2923.23,393.9 2805.12,393.9 ; 2470.47,502.17 L4.1@2470.47,326.97 2531.5,326.97 v1(2539.37,334.84) v1(2618.11,334.84) 2637.8,334.84 2696.85,393.9 2805.12,393.9
+1V5A: 1V5A.1 C159.1 C163.1 C170.1 L4.2 R104.1 R129.1 U15.8 U21.5 U21.6 | length 8030.7
  Top Layer w10: v1(3620.37,5567.75) 3638.42,5567.75 3649.8,5579.13 U15.8@3695.87,5579.13
  Top Layer w12: R104.1@127.95,2854.53 144.49,2854.53 172.84,2826.18 193.31,2826.18 C159.1@212.21,2807.28 ; v1@165.16,2718.9 172.84,2726.57 215.16,2726.57 v1@215.16,2749.41